# Altium PCB carrier.PcbDoc (part 4 of 5)
Units mil, origin at the board's own origin, x right, y up, seen from the top; angles counter-clockwise.
Board outline 5511.81 x 3425.2 mil, 4 copper layers (Component Side, Power_layer1, Power_layer2, Solder Side), stack 65.912 mil thick; 384 components, 416 nets, 1916 pads, 853 vias.
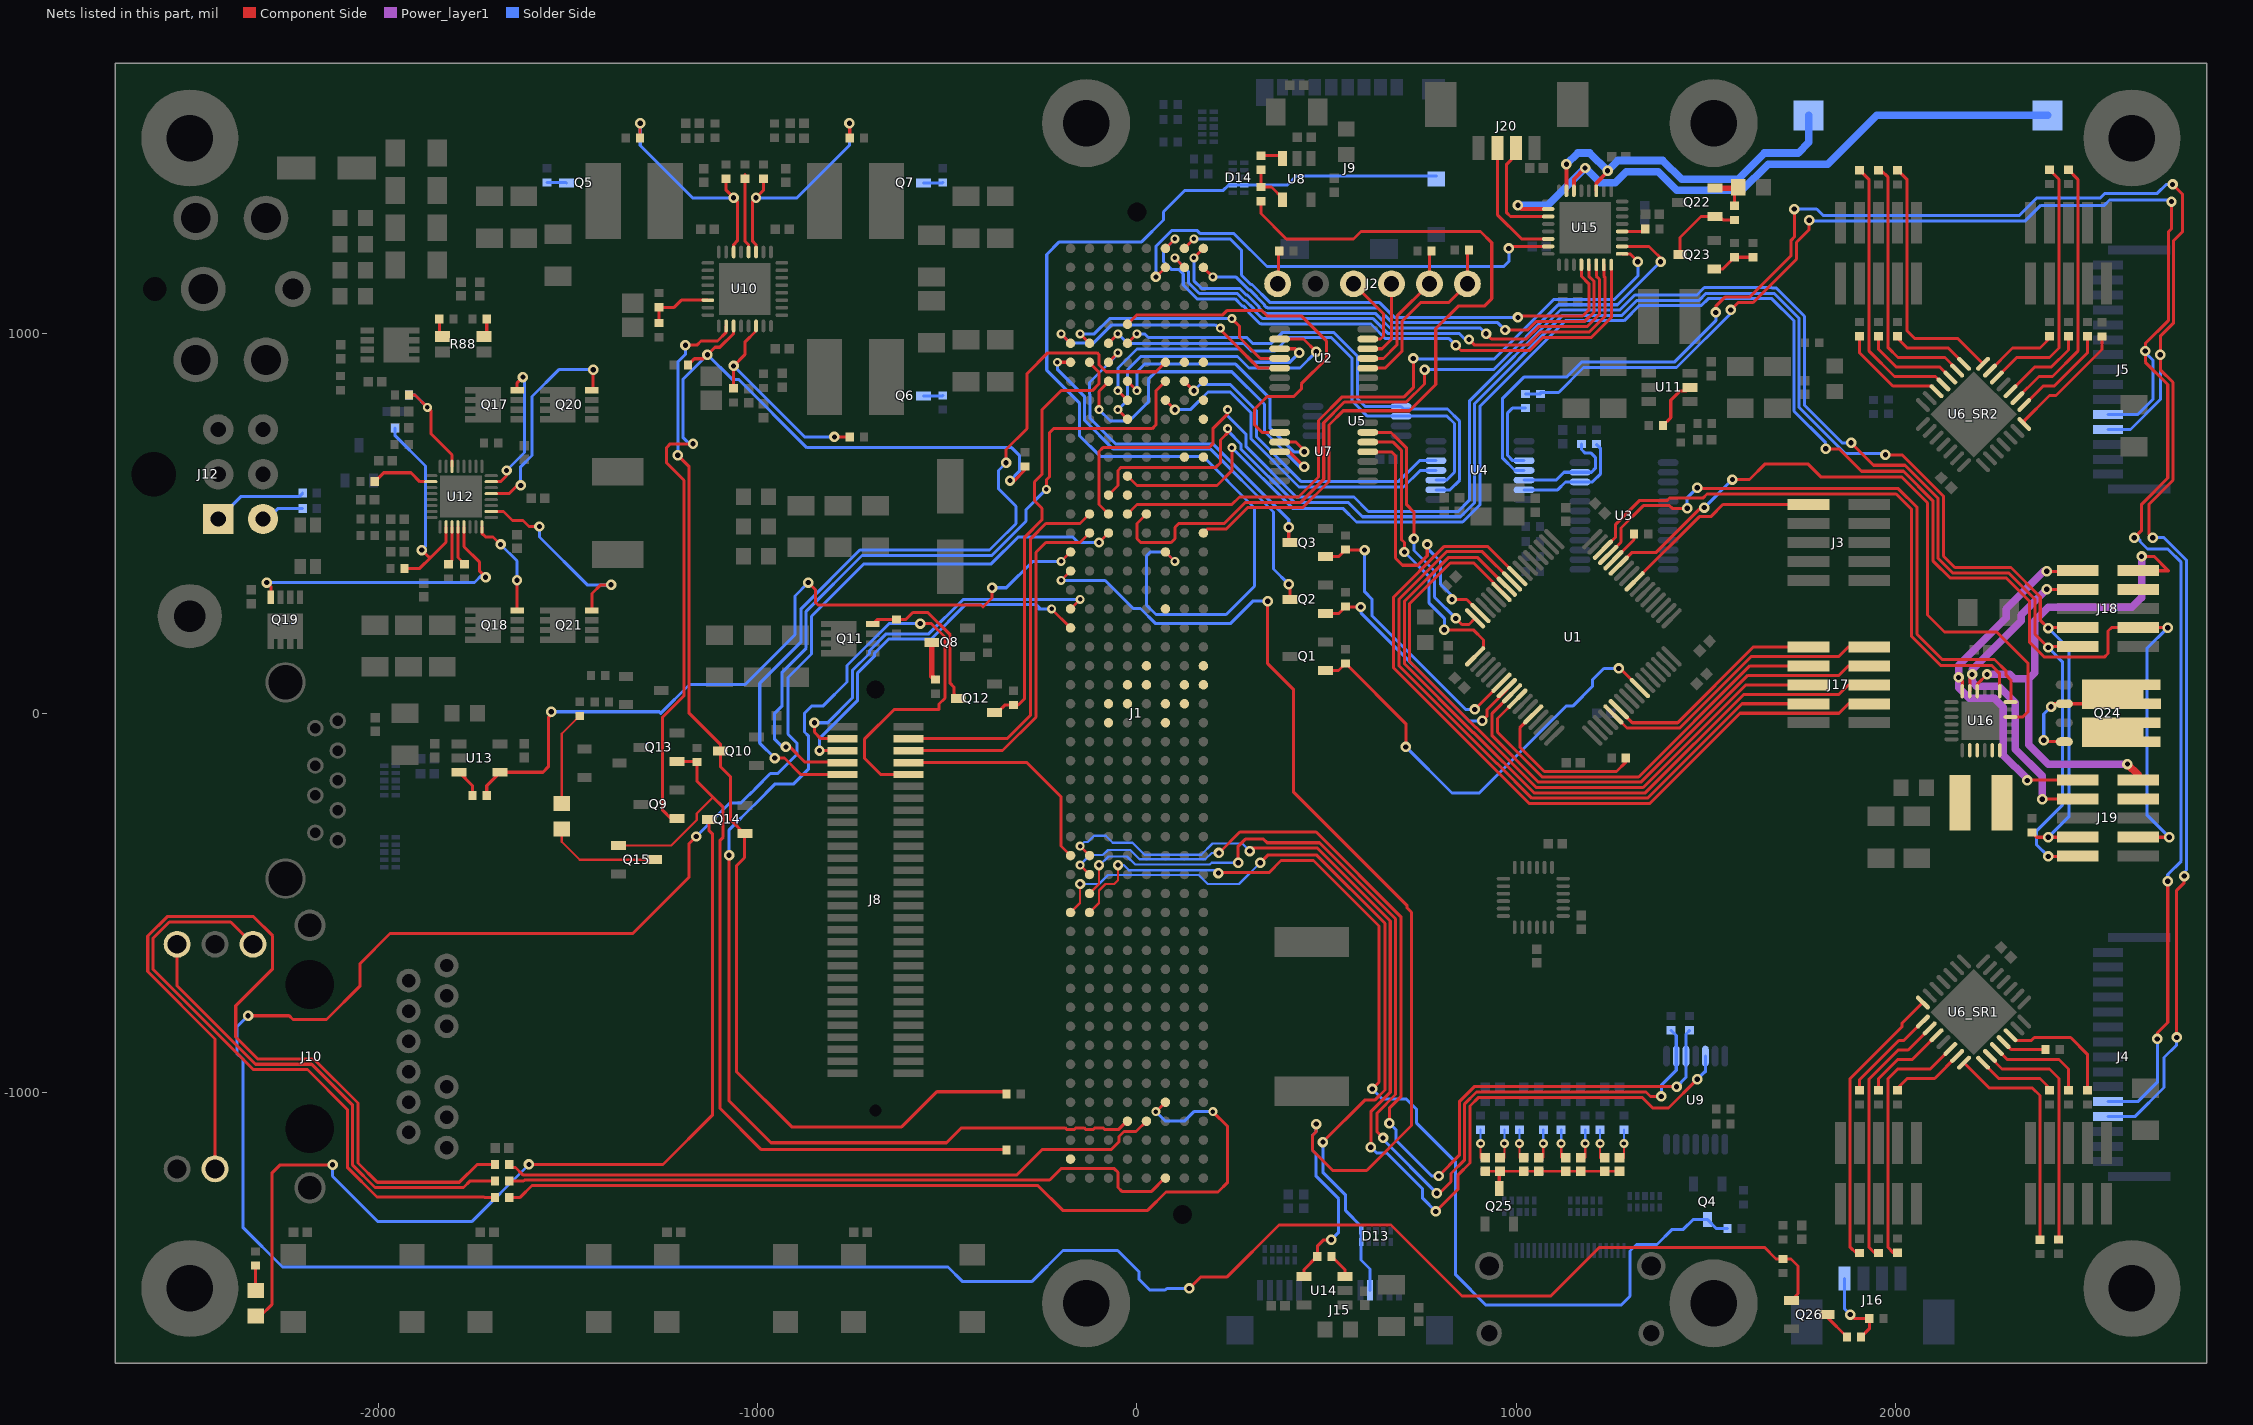
[diagram p6: the nets of this part, all layers, seen from the top]

## Via types
v1: diameter 27.56, hole 13.78, Component Side to Solder Side, 418 vias
v2: diameter 27.56, hole 13.78, Component Side to Solder Side, tented both sides, 128 vias
v3: diameter 23.62, hole 11.81, Component Side to Solder Side, tented top, 101 vias
v4: diameter 27.56, hole 13.78, Component Side to Solder Side, tented top, 72 vias
v5: diameter 27.56, hole 15.75, Component Side to Solder Side, 48 vias
v6: diameter 23.62, hole 11.81, Component Side to Solder Side, 39 vias
v7: diameter 27.56, hole 13.78, Component Side to Solder Side, tented bottom, 36 vias
v8: diameter 27.56, hole 15.75, Component Side to Solder Side, tented bottom, 7 vias
v9: diameter 50, hole 28, Component Side to Solder Side, 2 vias
v10: diameter 23.62, hole 11.81, Component Side to Solder Side, tented bottom, 2 vias

## Nets (pads, with @x,y where several pads share a name; then routed paths per layer and width w, separated by ;. In a path a pad name is that pad's centre, name@x,y a point inside that pad or via, vN(x,y) a via of type N, cw(c..) or ccw(c..) an arc to the next point about the centre after c; other vN are vias at no path point) (continued)
NetD7_A: D7.A R77.1 | length 65.9
  Component Side w8: D7.A@-2322.83,-1521.65 R77.1@-2322.83,-1455.71
NetD7_C: D7.C Q14.D | length 2551.3
  Component Side w8: D7.C@-2322.83,-1588.58 -2309.92,-1588.58 -2280,-1558.66 -2280,-1211.91 -2258.09,-1190 v1(-2120,-1190) ; v1(-1602.36,-1188.98) -1248.98,-1188.98 -1118.11,-1058.11 -1118.11,-318.9 -1127.24,-309.76 Q14.D@-1127.24,-280
  Solder Side w8: v1(-2120,-1190) -2120,-1220 -2000,-1340 -1753.39,-1340 v1(-1602.36,-1188.98)
NetD8_A: D8.A R78.1 | length 250.9
  Component Side w6: D8.A@-1515.75,-238.19 -1515.75,-54.13 R78.1@-1468.5,-6.89
NetD8_C: D8.C Q15.D | length 297.1
  Component Side w6: D8.C@-1515.75,-305.12 -1515.75,-338.58 -1468.5,-385.83 Q15.D@-1271.65,-385.83
NetD13_5: D13.5 J1.A36 J15.4 | length 2116.2
  Component Side w6: J1.A36@-175,-525 -150,-500 v4(-150,-450)
  Component Side w8: v1(324.8,-393.7) 344.5,-374 474,-374 653.54,-553.54 653.54,-993.03 627.87,-1018.7 601.3,-1018.7 v1(490,-1130)
  Solder Side w6: v4(-150,-450) -100,-450 -76.18,-426.18 162.85,-426.18 186.47,-449.8 268.7,-449.8 v1(324.8,-393.7)
  Solder Side w8: v1(490,-1130) 490,-1210 550,-1270 550,-1311.02 590.55,-1351.57 D13.5@590.55,-1362.8 D13.5@590.55,-1393.11 590.55,-1440.94 614.17,-1464.57 J15.4@614.17,-1520.67
NetD14_4: D14.4 J1.F17 J9.SW1 | length 2965.8
  Component Side w8: J1.F17@75,425 v3(100,400)
  Solder Side w8: v3(100,400) 75,425 35,425 25,415 25,285 50,260 235,260 310,335 310,541 174,677 -97,677 -151.78,731.78 -151.78,818.15 -237.75,904.12 -237.75,1209.1 -204.6,1242.25 12.25,1242.25 70,1300 70,1321.51 126.45,1377.95 227.59,1377.95 241.37,1391.73 D14.4@252.56,1391.73 D14.4@282.87,1391.73 395.67,1391.73 419.29,1415.35 J9.SW1@788.98,1415.35
NetFB2_1: FB2.1 FB3.1 FB4.1 FB6.1 FB7.1 FB8.1 FB9.1 FB10.1 Q25.D | length 400
  Component Side w6: FB2.1@917.32,-1207.09 FB3.1@956.69,-1207.09 FB4.1@1019.68,-1207.09 FB6.1@1059.06,-1207.09 FB7.1@1129.92,-1207.09 FB8.1@1169.29,-1207.09 FB9.1@1232.28,-1207.09 FB10.1@1271.65,-1207.09
  Component Side w8: Q25.D@954.72,-1251.97 954.72,-1209.06 FB3.1@956.69,-1207.09
NetFB2_2: FB2.2 R46.1 | length 79
  Component Side w6: v6(905.51,-1133.86) 905.51,-1170.87 FB2.2@909.45,-1174.8
  Solder Side w6: v6(905.51,-1133.86) R46.1@905.51,-1097.44
NetFB3_2: FB3.2 R47.1 | length 79
  Component Side w6: FB3.2@964.57,-1174.8 968.5,-1170.87 v6(968.5,-1133.86)
  Solder Side w6: v6(968.5,-1133.86) R47.1@968.5,-1097.44
NetFB4_2: FB4.2 R48.1 | length 79
  Component Side w6: v6(1007.87,-1133.86) 1007.87,-1170.87 FB4.2@1011.81,-1174.8
  Solder Side w6: v6(1007.87,-1133.86) R48.1@1007.87,-1097.44
NetFB6_2: FB6.2 R49.1 | length 79
  Component Side w6: FB6.2@1066.93,-1174.8 1070.87,-1170.87 v6(1070.87,-1133.86)
  Solder Side w6: v6(1070.87,-1133.86) R49.1@1070.87,-1097.44
NetFB7_2: FB7.2 R50.1 | length 79
  Component Side w6: v6(1118.11,-1133.86) 1118.11,-1170.87 FB7.2@1122.05,-1174.8
  Solder Side w6: v6(1118.11,-1133.86) R50.1@1118.11,-1097.44
NetFB8_2: FB8.2 R51.1 | length 79
  Component Side w6: FB8.2@1177.17,-1174.8 1181.1,-1170.87 v6(1181.1,-1133.86)
  Solder Side w6: v6(1181.1,-1133.86) R51.1@1181.1,-1097.44
NetFB9_2: FB9.2 R52.1 | length 79
  Component Side w6: v6(1220.47,-1133.86) 1220.47,-1170.87 FB9.2@1224.41,-1174.8
  Solder Side w6: v6(1220.47,-1133.86) R52.1@1220.47,-1097.44
NetFB10_2: FB10.2 R53.1 | length 79
  Component Side w6: FB10.2@1279.53,-1174.8 1283.46,-1170.87 v6(1283.46,-1133.86)
  Solder Side w6: v6(1283.46,-1133.86) R53.1@1283.46,-1097.44
NetFB21_2: FB21.2 Q22.S R104.2 | length 127.4
  Component Side w8: FB21.2@1566.93,1383.86 FB21.2@1578.74,1395.67 ; R104.2@1574.8,1337.6 1574.8,1375.98 FB21.2@1584.65,1385.83 1584.65,1389.76 FB21.2@1578.74,1395.67 ; FB21.2@1580.71,1397.64 FB21.2@1578.74,1395.67
  Component Side w15: Q22.S@1523.62,1383.86 FB21.2@1566.93,1383.86
NetJ1_A6: J1.A6 U2.5 | length 691.1
  Component Side w8: v3(-200,1000) J1.A6@-175,975 ; v3(220,1015.16) 220,1010.32 320.87,909.45 U2.5@375.98,909.45
  Solder Side w8: v3(-200,1000) -176.22,976.22 -113.78,976.22 -66.22,1023.78 206.22,1023.78 214.84,1015.16 v3(220,1015.16)
NetJ1_A7: J1.A7 Q2.D | length 1068.1
  Component Side w8: v3(-210,925) J1.A7@-175,925 ; v1(400,340) 402.76,337.24 Q2.D@402.76,300
  Solder Side w8: v3(-210,925) -205,920 -210,915 -210,906.57 -137.78,834.35 -137.78,771.64 -62.14,696 194.2,696 360,530.2 360,380 v1(400,340)
NetJ1_A17: J1.A17 R102.1 U13.4 | length 2051.8
  Component Side w8: R102.1@-1713.58,-216.54 -1713.58,-190.94 U13.4@-1678.15,-155.51 -1565.51,-155.51 -1551.18,-141.18 -1551.18,-11.81 -1543.31,-3.94 v1(-1543.31,3.94) ; v1(-866.14,344.49) -846.61,324.96 -846.61,291.13 -840.76,285.28 -410.79,285.28 -405.51,280 -381.89,303.62 v1(-381.89,330.71) ; v3(-200,400) J1.A17@-175,425
  Solder Side w8: v1(-1543.31,3.94) -1258.94,3.94 -1255,0 -1179,76 -1032.62,76 -901.35,207.27 -901.35,309.28 v1(-866.14,344.49) ; v1(-381.89,330.71) -344.29,330.71 -275,400 v3(-200,400)
NetJ1_A18: J1.A18 R103.1 U14.4 | length 3079.1
  Component Side w8: v3(-200,350) J1.A18@-175,375 ; v1(344.49,295.28) 344.49,130.72 412,63.21 412,-207.18 712,-507.18 712,-513.01 723.54,-524.55 723.54,-1086.68 605.27,-1204.96 515.98,-1204.96 462.6,-1151.57 462.6,-1112.2 472.44,-1102.36 v1(472.44,-1082.68) ; U14.4@439.96,-1484.25 439.96,-1466.54 R103.1@475.39,-1431.1 475.39,-1404.53 492.13,-1387.8 v1(511.81,-1387.8)
  Solder Side w8: v3(-200,350) -83.63,350 -9.85,276.22 9.21,276.22 49.21,236.22 246.06,236.22 305.12,295.28 v1(344.49,295.28) ; v1(472.44,-1082.68) 472.44,-1102.36 462.6,-1112.2 462.6,-1151.57 472.44,-1161.42 472.44,-1220.47 531.5,-1279.53 531.5,-1368.11 v1(511.81,-1387.8)
NetJ1_A20: J1.A20 J8.3 | length 1023.3
  Component Side w8: v1(-850,-25) -850,-50 -833.07,-66.93 J8.3@-775.59,-66.93 ; J1.A20@-175,275 v3(-150,300)
  Solder Side w8: v1(-850,-25) -815,-25 -750,40 -750,112.46 -705.11,157.35 -705.11,164.89 -660.73,209.27 -548.72,209.27 -457.99,300 v3(-150,300)
NetJ1_A21: J1.A21 J8.5 | length 977.6
  Component Side w8: v1(-836.61,-98.43) J8.5@-775.59,-98.43 ; v3(-225,275) J1.A21@-175,225
  Solder Side w8: v1(-836.61,-98.43) -836.61,-66.41 -829.26,-59.06 -736,34.2 -736,106.66 -691.11,151.55 -691.11,158.89 -654.73,195.27 -542.92,195.27 -452.19,286 -265,286 -256.5,277.5 -259,275 v3(-225,275)
NetJ1_A33: J1.A33 J8.8 | length 605
  Component Side w8: J8.8@-602.36,-129.92 -290.08,-129.92 -200,-220 -200,-350 J1.A33@-175,-375
NetJ1_A49: J1.A49
NetJ1_B6: J1.B6 U2.4 | length 639
  Component Side w8: v3(-150,1000) J1.B6@-125,975 ; v3(250,1040) 270,1020 270,990 324.96,935.04 U2.4@375.98,935.04
  Solder Side w8: v3(-150,1000) -112.2,1000 -72.2,1040 v3(250,1040)
NetJ1_B7: J1.B7 Q12.G R82.2 | length 1137.4
  Component Side w8: Q12.G@-375.98,1.97 -368.11,1.97 -348.61,21.46 -324.99,21.46 R82.2@-324.8,21.65 -312.99,21.65 -296,38.65 -296,464 -250.16,509.84 -250.16,540.16 -270,560 -270,610 -250.16,629.84 -250.16,799.84 -200,850 -118.18,850 -100,868.18 -100,898.38 -125,923.38 J1.B7@-125,925
NetJ1_B15: J1.B15 J8.4 | length 994.7
  Component Side w8: J8.4@-602.36,-66.93 -342.52,-66.93 -280,-4.41 -280,460.2 -240.2,500 -150,500 J1.B15@-125,525
NetJ1_B16: J1.B16 J8.6 | length 969.2
  Component Side w8: J8.6@-602.36,-98.43 -354.22,-98.43 -266,-10.21 -266,424 -240,450 -150,450 J1.B16@-125,475
NetJ1_B33: J1.B33 U9.5 | length 2898.5
  Component Side w8: v3(-150,-350) J1.B33@-125,-375 ; v1(297.24,-363.19) 305.12,-355.32 475.11,-355.32 667.54,-547.74 667.54,-998.83 616.22,-1050.15 v1(616.22,-1143.62) ; v1(787.4,-1312.99) 846.46,-1253.94 846.46,-1216.54 877.54,-1185.45 877.54,-1035.09 900.38,-1012.25 1331.15,-1012.25 1359.25,-1040.35 1400.59,-1040.35 v1(1476.38,-964.57)
  Solder Side w6: v3(-150,-350) -139.22,-339.22 -129.57,-339.22 -113.39,-323.04 -82.47,-323.04 -63.98,-341.54 -11.49,-341.54 19.75,-372.78 169.54,-372.78 198.82,-343.5 277.56,-343.5 v1(297.24,-363.19)
  Solder Side w8: v1(616.22,-1143.62) 631.06,-1158.46 657.48,-1158.46 752.8,-1253.78 752.8,-1278.39 v1(787.4,-1312.99) ; v1(1476.38,-964.57) 1496.06,-944.88 1498.03,-944.88 U9.5@1498.03,-903.54
NetJ1_B34: J1.B34 R33.1 U9.3 | length 2760.9
  Component Side w8: v3(-150,-400) J1.B34@-125,-425 ; v4(216.04,-368.11) 271.16,-312.99 472.39,-312.99 695.54,-536.15 695.54,-1010.43 664.99,-1040.98 664.99,-1080.35 v1(665.35,-1080.71) ; v1(795.28,-1219.49) 849.54,-1165.22 849.54,-1023.49 888.78,-984.25 v1(1422.24,-984.25)
  Solder Side w6: v3(-150,-400) -123.78,-373.78 -90.15,-373.78 -76.61,-360.24 -17.72,-360.24 6.83,-384.78 180.18,-384.78 196.85,-368.11 v4(216.04,-368.11)
  Solder Side w8: v1(665.35,-1080.71) 683.07,-1098.43 683.07,-1125.98 776.57,-1219.49 v1(795.28,-1219.49) ; v1(1422.24,-984.25) 1446.85,-959.65 U9.3@1446.85,-903.54 1446.85,-845.47 R33.1@1456.69,-835.63
NetJ1_B35: J1.B35 R32.1 U9.2 | length 2835.8
  Component Side w6: J1.B35@-125,-475 -100,-450 v4(-100,-400)
  Component Side w8: v4(266.73,-393.7) 266.73,-350.39 285.43,-331.69 333.66,-331.69 343.28,-341.32 480.91,-341.32 681.54,-541.95 681.54,-1004.63 632.87,-1053.3 632.87,-1103.35 v1(648.62,-1119.09) ; v1(790.35,-1264.76) 797.24,-1264.76 827.54,-1234.47 827.54,-1212.71 863.54,-1176.7 863.54,-1029.29 894.58,-998.25 1341.54,-998.25 1353.13,-1009.84 v1(1381.89,-1009.84)
  Solder Side w6: v4(-100,-400) -97.99,-400 -75.21,-377.22 -26.32,-377.22 -4.76,-398.78 191.77,-398.78 196.85,-393.7 v4(266.73,-393.7)
  Solder Side w8: v1(648.62,-1119.09) 648.62,-1123.03 v1(790.35,-1264.76) ; v1(1381.89,-1009.84) 1381.89,-980.31 1421.26,-940.94 U9.2@1421.26,-903.54 1421.26,-849.41 R32.1@1407.48,-835.63
NetJ1_B36: J1.B36 Q4.D R28.1 | length 2928.2
  Component Side w6: J1.B36@-125,-525 -100,-500 -100,-466.97 -83.03,-450 -60,-450 -50,-440 v4(-50,-400)
  Component Side w8: v4(214.57,-421.26) 215.83,-420 347.72,-420 379.72,-388 465.11,-388 637.8,-560.68 637.8,-972.2 v1(620,-990)
  Solder Side w6: v4(-50,-400) -34.76,-400 -21.37,-413.39 206.69,-413.39 v4(214.57,-421.26)
  Solder Side w8: v1(620,-990) 646.73,-1016.73 709.65,-1016.73 737.2,-1044.29 737.2,-1080.28 840,-1183.07 840,-1480 920,-1560 1275.59,-1560 1299.21,-1536.38 1299.21,-1417.32 1316.33,-1400.2 1370.23,-1400.2 1410.44,-1360 1440,-1360 1465.35,-1334.65 Q4.D@1503.94,-1334.65 1527.56,-1358.27 R28.1@1556.1,-1358.27
NetJ1_C6: J1.C6 U4.3 U5.6 | length 1300.7
  Component Side w8: J1.C6@-75,975 v3(-50,1000)
  Solder Side w8: v3(-50,1000) -25,975 280.79,975 301.07,954.72 364.17,954.72 399.45,990 512.13,990 567.09,935.05 567.09,915.35 566.71,914.97 566.71,823.29 607.2,782.8 U5.6@696.14,782.8 817.2,782.8 836.61,763.39 836.61,635.37 815.65,614.41 U4.3@787.86,614.41
NetJ1_C7: J1.C7 Q3.D | length 935.2
  Component Side w8: J1.C7@-75,925 v3(-50,950) ; v1(400,490) 400,452.76 Q3.D@402.76,450
  Solder Side w8: v3(-50,950) -50,946.57 -125,871.57 -125,841.37 -123.78,840.15 -123.78,777.44 -56.34,710 200,710 400,510 v1(400,490)
NetJ1_C8: J1.C8 U7.4 | length 954.4
  Component Side w8: v3(-100,800) -100,848.38 -75,873.38 J1.C8@-75,875 ; U7.4@375.98,688.98 401.57,688.98 v1(440.94,649.61)
  Solder Side w8: v3(-100,800) -70,770 -20,770 30,820 30,880 50,900 250,900 336,814 336,742.74 429.13,649.61 v1(440.94,649.61)
NetJ1_C16: J1.C16 Q26.G R31.1 | length 8253.6
  Component Side w8: v1(-2342.52,-797.24) -2234.25,-797.24 -2224.41,-807.09 -2135.83,-807.09 -2047.24,-718.5 -2047.24,-659.45 -1968.5,-580.71 -1328.74,-580.71 -1181.1,-433.07 -1181.1,-344.49 v1(-1161.42,-324.8) ; v4(-100,450) J1.C16@-75,475 ; v1(137.8,-1515.75) 167.32,-1486.22 236.33,-1486.22 374.13,-1348.43 669.29,-1348.43 856.38,-1535.51 1090.75,-1535.51 1218.78,-1407.48 1653.54,-1407.48 1684.06,-1437.99 R31.1@1702.76,-1437.99 1723.43,-1437.99 1742.13,-1456.69 1742.13,-1529.53 Q26.G@1724.41,-1547.24
  Solder Side w8: v1(-2342.52,-797.24) -2372.05,-826.77 -2372.05,-895.67 -2356.52,-911.2 -2356.52,-1354.73 -2251.93,-1459.32 -498.22,-1459.32 -460.55,-1496.99 -276.29,-1496.99 -195.1,-1415.8 -50.97,-1415.8 5.68,-1472.45 5.68,-1492.02 33.57,-1519.91 74.47,-1519.91 78.63,-1515.75 v1(137.8,-1515.75) ; v1(-1161.42,-324.8) -1072.72,-236.11 -1043.42,-236.11 -1021.09,-213.78 -1020.15,-213.78 -1006.22,-199.85 -1006.22,-198.91 -966.32,-159.01 -946.52,-159.01 -895.73,-108.21 -895.73,-78.8 -919.51,-55.01 -919.51,94.27 -857.83,155.95 -857.83,255.39 -719.51,393.7 -383.86,393.7 -313.56,464 -168.72,464 -154.72,450 v4(-100,450)
NetJ1_C25: J1.C25
NetJ1_C26: J1.C26
NetJ1_D5: J1.D5 U7.2 | length 988.3
  Component Side w8: J1.D5@-25,1025 0,1050 226.37,1050 238.18,1061.81 327.95,1061.81 342.52,1047.24 433.07,1047.24 500,980.32 500,935.04 433.07,868.11 433.07,854.33 413.39,834.65 343.23,834.65 310,801.42 310,760 329.84,740.16 U7.2@375.98,740.16
NetJ1_D6: J1.D6 U4.2 U5.5 | length 1300.1
  Component Side w8: J1.D6@-25,975 v3(0,1000)
  Solder Side w8: v3(0,1000) 20,1000 30,990 289.53,990 305.12,974.41 354.33,974.41 383.92,1004 517.93,1004 581.09,940.85 581.09,909.55 580.71,909.17 580.71,829.29 601.61,808.39 U5.5@696.14,808.39 702.87,801.65 818.15,801.65 850.61,769.18 850.61,614.39 825.04,588.82 U4.2@787.86,588.82
NetJ1_D8: J1.D8 U7.3 | length 759.2
  Component Side w8: J1.D8@-25,875 v3(0,850) ; U7.3@375.98,714.57 419.29,714.57 444.88,688.98 v1(440.94,688.98)
  Solder Side w8: v3(0,850) 0,900 20,920 260,920 350,830 350,752.36 413.39,688.98 v1(440.94,688.98)
NetJ1_D9: J1.D9 U2.3 | length 675.2
  Component Side w8: v3(-50,850) J1.D9@-25,825 ; U2.3@375.98,960.63 417.32,960.63 v1(427.95,950)
  Solder Side w8: v3(-50,850) -50,910 0,960 270,960 305,925 402.95,925 v1(427.95,950)
NetJ1_D10: J1.D10 U2.2 | length 803.1
  Component Side w8: v3(-50,800) J1.D10@-25,775 ; U2.2@375.98,986.22 438.78,986.22 v1(472.44,952.56)
  Solder Side w8: v3(-50,800) -25,825 -25,905 10,940 265.2,940 295.2,910 429.88,910 v1(472.44,952.56)
NetJ1_D14: J1.D14
NetJ1_D15: J1.D15 U15.9 | length 1825.7
  Component Side w8: J1.D15@-25,525 0,550 250,550 270,570 425.6,570 478.22,622.62 478.22,771.45 540.77,834 704.2,834 728.35,858.15 v1(728.35,935.04) ; U15.9@1278.54,1210.63 1299.37,1210.63 v1(1320,1190)
  Solder Side w8: v1(728.35,935.04) 729.61,933.78 941.65,933.78 1098.43,1090.55 1258.1,1090.55 1320,1152.45 v1(1320,1190)
NetJ1_D24: J1.D24
NetJ1_D25: J1.D25
NetJ1_D47: J1.D47 J8.10 | length 3390.9
  Component Side w8: v1(-1074.8,-374.02) -1074.8,-1021.65 -964.57,-1131.89 -501.89,-1131.89 -462.52,-1092.52 -189.3,-1092.52 -184.32,-1097.5 -165.68,-1097.5 -160.7,-1092.52 -139.3,-1092.52 -134.32,-1097.5 -115.68,-1097.5 -110.7,-1092.52 -89.3,-1092.52 -84.32,-1097.5 -49.12,-1097.5 -26.62,-1075 J1.D47@-25,-1075 ; J8.10@-602.36,-161.42 -675.2,-161.42 -718.5,-118.11 -718.5,-68.9 -639.76,9.84 -521.65,9.84 -521.65,24.24 -506.13,39.77 -506.13,200.89 -541.45,236.22 v1(-570.87,236.22)
  Solder Side w8: v1(-1074.8,-374.02) -1074.8,-307.09 -1009.5,-241.78 -1008.55,-241.78 -978.22,-211.45 -978.22,-210.5 -954.72,-187.01 -905.51,-187.01 -866.14,-147.64 -866.14,-59.06 -875.98,-49.21 -875.98,0 -856.3,19.68 -826.77,19.68 -764,82.46 -764,125.8 -653.58,236.22 v1(-570.87,236.22)
NetJ1_E15: J1.E15 U15.10 | length 2031
  Component Side w8: J1.E15@25,525 0,500 0,460 10,450 90,450 100,460 100,490 110,500 230,500 286,556 431.4,556 492.22,616.82 492.22,765.65 546.57,820 710,820 757.87,867.87 v1(757.87,905.51) ; U15.10@1278.54,1230.32 1349.68,1230.32 1390,1190 v1(1380,1190)
  Solder Side w8: v1(757.87,905.51) 939.45,905.51 1110.49,1076.55 1266.55,1076.55 v1(1380,1190)
NetJ1_E23: J1.E23
NetJ1_E24: J1.E24
NetJ1_E47: J1.E47 R27.2 | length 1757.4
  Component Side w8: R27.2@-1654.53,-1188.98 -1646.65,-1196.85 -1637.8,-1196.85 -1618.33,-1216.31 -316.32,-1216.31 -250,-1150 -68.18,-1150 -47.5,-1129.32 -47.5,-1115.68 -34.32,-1102.5 -2.5,-1102.5 J1.E47@25,-1075
NetJ1_F1: J1.F1 U15.8 | length 1579
  Component Side w8: J1.F1@75,1225 v3(100,1250) ; v1(840,970) 854,956 1035.4,956 1070.11,990.71 1197.86,990.71 1250,1042.85 U15.8@1250,1182.09
  Solder Side w8: v3(100,1250) 70,1220 70,1190 90,1170 110.2,1170 122,1158.2 122,1128.4 158.4,1092 258.8,1092 277.02,1073.78 279.85,1073.78 293.78,1059.85 293.78,1057.02 323.09,1027.72 324.81,1027.72 326.64,1025.89 616.57,1025.89 655.15,987.31 822.69,987.31 v1(840,970)
NetJ1_F2: J1.F2 U15.31 | length 1248.3
  Component Side w8: v4(50,1150) J1.F2@75,1175 ; v1(980,1225) 985.32,1230.32 U15.31@1083.66,1230.32
  Solder Side w8: v4(50,1150) 50,1231.3 50.45,1231.3 90.97,1271.81 159.03,1271.81 166.85,1264 256,1264 342.68,1177.32 966.61,1177.32 980,1190.71 v1(980,1225)
NetJ1_F7: J1.F7 J8.9 | length 2191.1
  Component Side w8: v1(-954.72,-118.11) -929.13,-118.11 -885.83,-161.42 J8.9@-775.59,-161.42 ; v1(-345,660) -345,695 -290,750 -290,895 -235,950 -105,950 -100,945 -100,918.18 -81.82,900 50,900 J1.F7@75,925
  Solder Side w8: v1(-954.72,-118.11) -994.09,-78.74 -994.09,78.74 -885.83,187.01 -885.83,274.37 -730.2,430 -388.44,430 -370,448.45 -318.9,499.55 -318.9,545.34 -365,591.44 -365,640 v1(-345,660)
NetJ1_F8: J1.F8 J8.7 | length 1927.3
  Component Side w8: v1(-925.2,-88.58) -915.35,-88.58 -875.98,-127.95 -777.56,-127.95 J8.7@-775.59,-129.92 ; v3(-239,590) -239,614.75 -230,623.75 -230,740 -220,750 40,750 50,760 50,850 J1.F8@75,875
  Solder Side w8: v1(-925.2,-88.58) -935.04,-88.58 -954.72,-68.9 -954.72,0 -935.04,19.68 -935.04,108.27 -871.83,171.48 -871.83,268.58 -724.4,416 -382.65,416 -359.32,439.32 -292.59,506.06 -292.59,536.41 v3(-239,590)
NetJ1_F9: J1.F9 U4.4 | length 904.6
  Component Side w8: J1.F9@75,825 v4(100,800)
  Solder Side w8: v4(100,800) 140.55,800 187.01,846.46 245.95,846.46 300.96,791.45 300.96,722.55 427.27,596.24 702.54,596.24 746.3,640 U4.4@787.86,640
NetJ1_F20: J1.F20
NetJ1_F25: J1.F25
NetJ1_F26: J1.F26
NetJ1_F46: J1.F46 R36.1 | length 2372.4
  Component Side w8: R36.1@-1654.53,-1275.59 -1625.59,-1275.59 -1594.54,-1244.54 -261.37,-1244.54 -195.91,-1310 28.08,-1310 76.58,-1261.5 213.5,-1261.5 239,-1236 239,-1089 v3(200,-1050) ; v3(50,-1050) J1.F46@75,-1025
  Solder Side w8: v3(50,-1050) 75,-1075 125,-1075 150,-1050 v3(200,-1050)
NetJ1_F50: J1.F50 R37.2 | length 1805.2
  Component Side w8: R37.2@-1654.53,-1232.28 -1616.14,-1232.28 -1614.17,-1230.31 -230,-1230.31 -200,-1200.31 -59.68,-1200.31 -50,-1210 -50,-1249.84 -40,-1259.84 38.64,-1259.84 73.48,-1225 J1.F50@75,-1225
NetJ1_G1: J1.G1 U15.4 | length 1336
  Component Side w8: J1.G1@125,1225 v3(150,1250) ; v1(1003.94,1043.31) 1007.34,1046.71 1174.66,1046.71 1190.94,1062.99 1190.94,1131.89 1171.26,1151.57 U15.4@1171.26,1182.09
  Solder Side w8: v3(150,1250) 246.06,1250 275.59,1220.47 275.59,1154.41 300.22,1129.78 303.05,1129.78 350.94,1081.89 639.76,1081.89 678.35,1043.31 v1(1003.94,1043.31)
NetJ1_G2: J1.G2 U15.7 | length 1455.7
  Component Side w8: v3(100,1200) J1.G2@125,1175 ; v1(875,985) 890,970 1029.6,970 1064.31,1004.71 1192.06,1004.71 1232.94,1045.6 1232.94,1149.29 1230.32,1151.92 U15.7@1230.32,1182.09
  Solder Side w8: v3(100,1200) 136,1164 136,1134.2 164.2,1106 264.6,1106 282.82,1087.78 285.65,1087.78 307.78,1065.65 307.78,1062.82 328.89,1041.72 330.61,1041.72 332.44,1039.89 622.37,1039.89 660.95,1001.31 848.69,1001.31 870,980 v1(875,985)
NetJ1_G7: J1.G7
NetJ1_G8: J1.G8 U4.5 | length 849.2
  Component Side w8: J1.G8@125,875 v4(150,850)
  Solder Side w8: v4(150,850) 166.14,866.14 246.06,866.14 314.96,797.24 314.96,728.35 433.07,610.24 688.98,610.24 744.33,665.59 U4.5@787.86,665.59
NetJ1_G12: J1.G12
NetJ1_G24: J1.G24
NetJ1_G25: J1.G25
NetJ1_H1: J1.H1 U15.6 | length 1390.8
  Component Side w8: v3(150,1200) J1.H1@175,1225 ; v1(920,1000) 933.78,986.22 1026.02,986.22 1058.51,1018.71 1186.26,1018.71 1218.94,1051.39 1218.94,1143.49 1210.63,1151.8 U15.6@1210.63,1182.09
  Solder Side w8: v3(150,1200) 150,1140 170,1120 270.4,1120 288.62,1101.78 291.45,1101.78 321.78,1071.45 321.78,1068.62 334.69,1055.72 336.41,1055.72 338.24,1053.89 628.17,1053.89 666.75,1015.31 904.69,1015.31 v1(920,1000)
NetJ1_H2: J1.H2 U15.5 | length 1250.2
  Component Side w8: J1.H2@175,1175 v3(200,1150) ; v1(970,1010) 1030,1010 1052.71,1032.71 1180.46,1032.71 1204.94,1057.19 1204.94,1137.69 1190.94,1151.69 U15.5@1190.94,1182.09